# Altium PCB harmonicAnalyzerPcb.PcbDoc
Units mil, origin at the board's own origin, x right, y up, seen from the top; angles counter-clockwise.
Board outline 3484.25 x 4330.71 mil, 2 copper layers (Top Layer, Bottom Layer), stack 61.855 mil thick; 79 components, 56 nets, 272 pads, 34 vias.
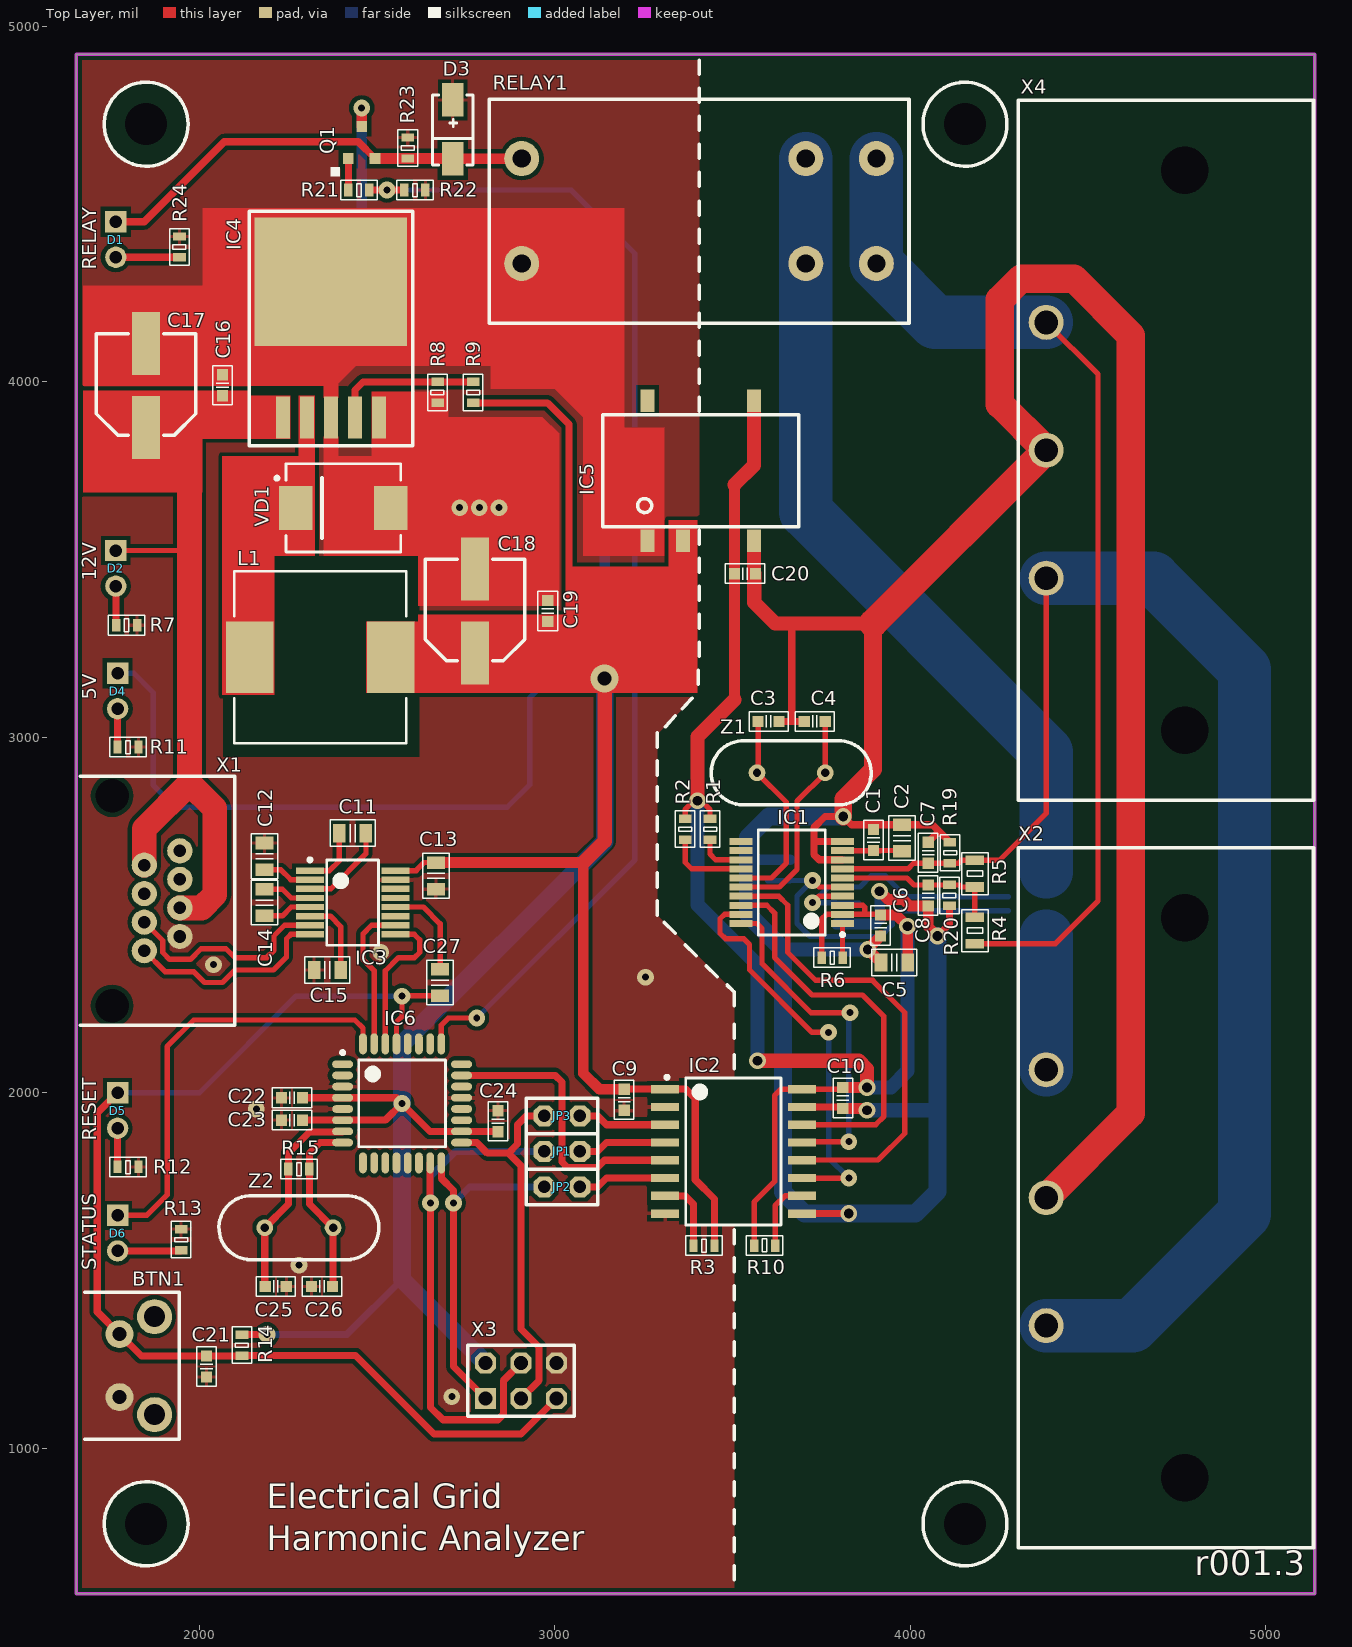
[diagram p0: Top Layer view]
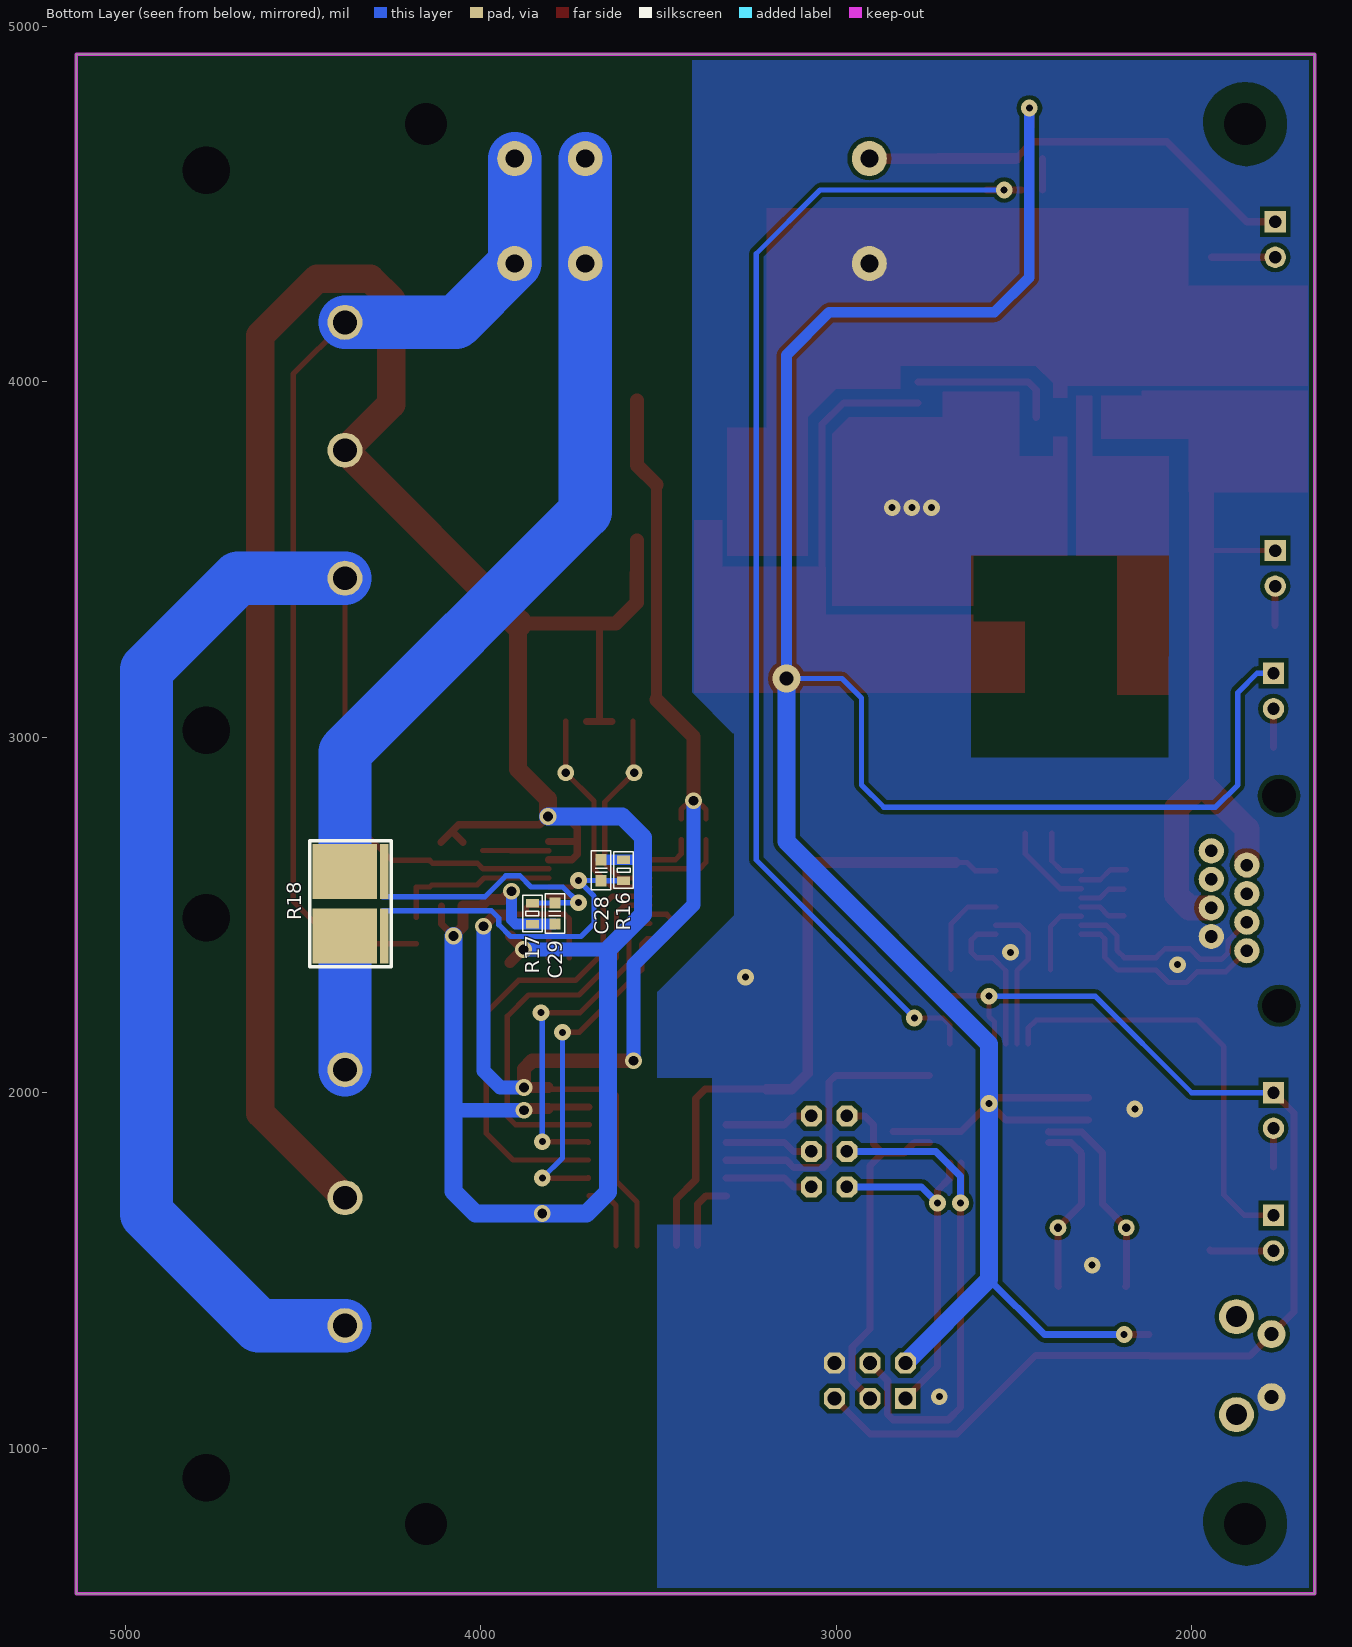
[diagram p1: Bottom Layer view, seen from below]

## Layer stack, top to bottom
Top Solder: solder mask 0.4, Solder Resist, Dk 3.5
Top Layer: signal copper 1.4
Dielectric 1: dielectric 59.0551, FR-4, Dk 4.8
Bottom Layer: signal copper 1.4
Bottom Solder: solder mask 0.4, Solder Resist, Dk 3.5

## Board outline
1653.54,590.55 5137.8,590.55 5137.8,4921.26 1653.54,4921.26

## Design rules (kind name [scope] priority, off if disabled: settings)
Clearance [All] p1: gap=5 ignorepadtopadclearanceinfootprint=FALSE except(11.81: Arc-Fill Arc-Poly Arc-Region Track-Fill Track-Poly Track-Region SMDPad-Fill SMDPad-Poly SMDPad-Region THPad-Fill THPad-Poly THPad-Region Via-Fill Via-Poly Via-Region Fill-Fill Fill-Poly Fill-Region Poly-Poly Poly-Region Region-Region)
ComponentClearance [All] p1: gap=0 collisioncheckmode=3 verticalgap=0 showdistances=FALSE
Height [All] p1: minheight=0 maxheight=1299.21 prefheight=500
HoleSize [All] p1: absolutevalues=TRUE maxlimit=137.8 minlimit=1 maxpercent=80.000 minpercent=20.000
MinimumSolderMaskSliver [All] p1: minsoldermaskwidth=0
PolygonConnect [All] p1: thpad.connectstyle=Direct thpad.reliefconductorwidth=10 thpad.reliefentries=4 thpad.polygonreliefangle="90 Angle" thpad.airgapwidth=10 smdpad.connectstyle=Relief smdpad.reliefconductorwidth=10 smdpad.reliefentries=4 smdpad.polygonreliefangle="90 Angle" smdpad.airgapwidth=10 via.connectstyle=Direct via.reliefconductorwidth=10 via.reliefentries=4 via.polygonreliefangle="90 Angle" via.airgapwidth=10
RoutingVias [All] p1: holewidth=19.68 width=47.24 viastyle="Through Hole" minholewidth=19.68 minwidth=47.24 maxholewidth=39.37 maxwidth=78.74
SilkToSilkClearance [All] p1: silktosilkclearance=0
SilkToSolderMaskClearance [IsPad] p1: minsilkscreentomaskgap=0 clearancetoexposedcopper=TRUE
SolderMaskExpansion [All] p1: expansion=4
Width [All] p1: maxlimit=200 minlimit=10 preferedwidth=10
24 further rules are at their usual default settings.

## Classes and differential pairs
component class Relay: D1 D3 Q1 R21 R22 R23 R24 RELAY1
component class ATmega328: BTN1 C21 C22 C23 C24 C25 C26 D4 D5 D6 IC6 JP1 JP2 JP3 R11 R12 R13 R14 R15 X3 Z2
component class harmonicAnalyzer: R4 R5 R6 R18 X1 X2 X4
component class Isolator: C9 C10 IC2 R3 R10
component class "Meterind IC": C1 C2 C3 C4 C5 C6 C7 C8 C28 C29 IC1 R1 R2 R16 R17 R19 R20 Z1
component class "Power Supply": C16 C17 C18 C19 C20 D2 IC4 IC5 L1 R7 R8 R9 VD1
component class "RS232 Driver": C11 C12 C13 C14 C15 C27 IC3

## Components (designator, comment, footprint, x,y, rotation, side; value= is the part's Value field where it differs from the comment)
BTN1 "Push Button" "PUSH BUTTON RIGHT ANGLE" 1874.02,1232.28 r270 top
C1 "100n" C_0603 3896.3,2710.83 r90 top
C2 "10u" C_0805 3976.3,2716.3 r90 top
C3 "22p" C_0603 3601.26,3044.49 r180 top
C4 "22p" C_0603 3731.26,3044.49 r0 top
C5 "10u" C_0805 3954.8,2366.06 r0 top
C6 "100n" C_0603 3916.3,2470.28 r90 top
C7 "33n" C_0603 4050,2675 r270 top
C8 "33n" C_0603 4050,2555 r90 top
C9 "100n" C_0603 3195,1980 r90 top
C10 "100n" C_0603 3810,1985 r90 top
C11 "100n" C_0805 2431.14,2730.04 r180 top
C12 "0.47u" C_0805 2183.27,2665.04 r270 top
C13 "100n" C_0805 2665.35,2610 r90 top
C14 "0.47u" C_0805 2183.27,2535.04 r90 top
C15 "0.47u" C_0805 2360,2345 r0 top
C16 "100n" C_0603 2065,3990 r270 top
C17 "470u" R79 1850,3990 r180 top
C18 "470u" R79 2775,3355 r180 top
C19 "100n" C_0603 2980,3355 r270 top
C20 "100n" C_0603 3535,3460 r180 top
C21 "1u" C_0603 2020,1230 r90 top
C22 "100n" C_0603 2260.35,1985.75 r0 top
C23 "100n" C_0603 2260.35,1922.76 r0 top
C24 "100n" C_0603 2840,1920 r270 top
C25 "22p" C_0603 2215,1455.35 r0 top
C26 "22p" C_0603 2345,1455.35 r180 top
C27 "100n" C_0805 2677.17,2310 r270 top
C28 "33n" C_0603 3661.42,2625.98 r270 bottom
C29 "33n" C_0603 3791.34,2503.94 r90 bottom
D1 "" LED_5mm 1765,4450 r270 top
D2 "" LED_5mm 1765,3525 r270 top
D3 "D_DO-214AC" DO-214AC 2712.6,4710.02 r90 top
D4 "" LED_5mm 1770,3180 r270 top
D5 "" LED_5mm 1770,2000 r270 top
D6 "" LED_5mm 1770,1655 r270 top
IC1 "ADE7753" SOP-20 3666.3,2591.3 r180 top
IC2 "ISO7741" SOIC-16 3502.09,1835 r0 top
IC3 "MAX3232" SSOP-16 2431.14,2535.04 r0 top
IC4 "AX3161" TO263-5L 2370,4090 r0 top
IC5 "TES 1-0511" "TES 1-0511" 3410,3750 r90 top
IC6 "ATmega328" TQFP-32 2570.35,1970 r0 top
JP1 "#NAME?" PLS-2 3020,1835 r180 top
JP2 "#NAME?" PLS-2 3020,1735 r180 top
JP3 "#NAME?" PLS-2 3020,1935 r0 top
L1 "120uH" L-12.3x12.3 2340,3225 r0 top
Q1 "IRLML2502" SOT23 2419.19,4627.92 r90 top
R1 "100k" R_0603 3436.3,2741.3 r90 top
R2 "100k" R_0603 3366.3,2741.3 r90 top
R3 "4.7k" R_0603 3419.53,1570 r0 top
R4 "1M" R_0805 4181.26,2456.3 r90 top
R5 "810" R_0805 4181.26,2616.3 r90 top
R6 "10k" R_0603 3780,2380 r0 top
R7 "6.8k" R_0603 1795.28,3315 r0 top
R8 "1.5k" R_0603 2670,3970 r270 top
R9 "4.7k" R_0603 2770,3970 r90 top
R10 "4.7k" R_0603 3590,1570 r180 top
R11 "2.2k" R_0603 1799.21,2972.44 r0 top
R12 "2.2k" R_0603 1799.21,1791.34 r0 top
R13 "2.2k" R_0603 1948.82,1586.61 r90 top
R14 "10k" R_0603 2120,1290 r270 top
R15 "1M" R_0603 2280,1785.35 r0 top
R16 "100k" R_0603 3598.43,2625.98 r90 bottom
R17 "100k" R_0603 3854.33,2503.94 r270 bottom
R18 "SHUNT" WSHP2818 4366.14,2531.5 r90 bottom
R19 "100k" R_0603 4111.26,2675 r90 top
R20 "100k" R_0603 4110,2555 r270 top
R21 "100k" R_0603 2448.82,4539.37 r0 top
R22 "100k" R_0603 2606.3,4539.37 r0 top
R23 "100k" R_0603 2586.1,4657.48 r90 top
R24 "2.2k" R_0603 1944.13,4379.09 r270 top
RELAY1 "RTSET005" RTSET005 3405.51,4480 r0 top
VD1 "30BQ040" "DO-214AB (SMC)" 2405,3645 r0 top
X1 "RJ45" RJ45 1849.72,2539.92 r270 top
X2 "C13" C13_RA_TH 4381.89,1704.72 r270 top
X3 "PLD-6" PLD-6 2905,1190 r90 top
X4 "C13" C13_RA_TH 4381.89,3807.09 r270 top
Z1 "8MHz" HC-49 3664.65,2899.84 r180 top
Z2 "8MHz" HC-49 2280,1620.35 r180 top

## Footprints (in the part's own frame and the unit in brackets; to place one, negate y for a bottom-side part, rotate by r counter-clockwise, add the part's x,y. Pads: shape width x height; smd on the part's side, far side on the other; paste and mask are expansions set on the pad)
C13_RA_TH [mm]
  round 0 hole 3.4: 0(-20,9.9) 0(20,9.9)
  round 2.5 hole 1.7: 1(-9.14,0) 2(0,0) 3(9.14,0)
  silkscreen extent -25,-2 25,19.1, body extent -24.88,-1.8 24.88,21.8, height 27.76
C_0603 [mm] "Chip Capacitor; Body 1.6 x 0.8 mm (LxW typ)"
  rect 0.8x0.8 smd: 1(-0.75,0) 2(0.75,0)
  silkscreen extent -1.4,-0.7 1.4,0.7, body extent -0.8,-0.4 0.8,0.4, height 0.3
C_0805 [mm] "Capacitor Pattern"
  rect 0.9x1.3 smd: 1(-0.95,0) 2(0.95,0)
  silkscreen extent -1.6,-0.95 1.6,0.95, body extent -1,-0.63 1,0.62, height 0.6
"DO-214AB (SMC)" [mm] "Molded Diode, 2-Leads, Body 7.94x5.90mm, IPC Medium Density"
  rect 2.4x3.15 smd: A(3.4,0) C(-3.4,0)
  silkscreen extent -4.87,-3.15 4.1,3.15, body extent -4.06,-3.05 4.07,3.05, height 2.4
DO-214AC [mm]
  rect 2.4x1.55 smd: 1(2.1,0) 2(-2.1,0)
  silkscreen extent -2.55,-1.45 2.45,1.45, body extent -2.6,-1.3 2.6,1.3, height 2.39
HC-49 [mm]
  round 1.2 hole 0.6: 1(-2.44,0) 2(2.44,0)
  silkscreen extent -5.71,-2.29 5.71,2.29, body extent -5.67,-2.32 5.68,2.33, height 3.6
L-12.3x12.3 [mm] "Precision Wire Wound Inductor, 2-Leads, Body 12.00x12.00mm, IPC Medium Density"
  rect 3.4x5.1 smd: 1(-5.05,0) 2(5.05,0)
  silkscreen extent -6.15,-6.15 6.15,6.15, body extent -6,-6 6,6, height 8
LED_5mm [mil]
  rect 60x60 hole 35: 1(0,0)
  round 60 hole 35: 2(100,0)
  body extent -65,-114 148,114, height 520
PLD-6 [mm]
  rect 1.5x1.5 hole 1: 1(-1.27,2.54)
  oct 1.5x1.5 hole 1: 2(1.27,2.54) 3(-1.27,0) 4(1.27,0) 5(-1.27,-2.54) 6(1.27,-2.54)
  silkscreen extent -2.54,-3.81 2.54,3.81
PLS-2 [mm] "PLS-2: STEP 2.54mm"
  oct 1.5x1.5 hole 0.9: 1(-1.27,0) 2(1.27,0)
  silkscreen extent -2.54,-1.27 2.54,1.27, body extent -2.54,-1.27 2.54,1.27, height 8.44
"PUSH BUTTON RIGHT ANGLE" [mm]
  round 2.5 hole 1.5: 0(-3.5,0) 0(3.5,0)
  round 2 hole 1: 1(-2.25,-2.5) 2(2.25,-2.5)
  silkscreen extent -5.25,-5 5.25,1.75, body extent -4.19,-10.84 4.21,1.46, height 8.3
R79 [mm]
  rect 2x4.5 smd: 1(0,3) 2(0,-3)
  silkscreen extent -3.56,-3.68 3.56,3.56, body extent -3.3,-3.5 3.3,3.5, height 3.91
R_0603 [mm]
  rect 0.6x0.9 smd: 1(-0.75,0) 2(0.75,0)
  silkscreen extent -1.3,-0.7 1.3,0.7, body extent -0.8,-0.41 0.8,0.41, height 0.45
R_0805 [mm] "Resistor Pattern"
  rect 0.7x1.3 smd: 1(-0.95,0) 2(0.95,0)
  silkscreen extent -1.5,-0.95 1.5,0.95, body extent -1,-0.6 1,0.6, height 0.5
RJ45 [mm]
  round 0 hole 2.4: 0(-7.5,-2.42) 0(7.5,-2.42)
  round 1.8 hole 0.9: 1(3.57,-0.12) 2(2.55,2.42) 3(1.53,-0.12) 4(0.51,2.42) 5(-0.51,-0.12) 6(-1.53,2.42) 7(-2.55,-0.12) 8(-3.57,2.42)
  silkscreen extent -8.89,-4.7 8.89,6.35, body extent -7.87,-15.13 8.12,5.92, height 13.37
RTSET005 [mm]
  round 2.5 hole 1.3: 1(12.67,3.75) 2(12.67,-3.75) 3(7.63,3.75) 4(7.63,-3.75) 5(-12.67,3.75) 6(-12.67,-3.75)
  silkscreen extent -15,-8 15,8
SOIC-16 [mm]
  rect 2x0.6 smd: 1(-4.9,4.445) 2(-4.9,3.175) 3(-4.9,1.905) 4(-4.9,0.635) 5(-4.9,-0.635) 6(-4.9,-1.905) 7(-4.9,-3.175) 8(-4.9,-4.445) 9(4.9,-4.445) 10(4.9,-3.175) 11(4.9,-1.905) 12(4.9,-0.635) 13(4.9,0.635) 14(4.9,1.905) 15(4.9,3.175) 16(4.9,4.445)
  silkscreen extent -4.87,-5.25 3.4,5.42, body extent -6.5,-5.25 5.32,5.25, height 2.72
SOP-20 [mm] "SOP, 20-Leads, Body 7.20x5.30mm, Pitch 0.65mm, IPC Medium Density"
  rect 1.65x0.5 smd: 1(-3.625,2.925) 2(-3.625,2.275) 3(-3.625,1.625) 4(-3.625,0.975) 5(-3.625,0.325) 6(-3.625,-0.325) 7(-3.625,-0.975) 8(-3.625,-1.625) 9(-3.625,-2.275) 10(-3.625,-2.925) 11(3.625,-2.925) 12(3.625,-2.275) 13(3.625,-1.625) 14(3.625,-0.975) 15(3.625,-0.325) 16(3.625,0.325) 17(3.625,0.975) 18(3.625,1.625) 19(3.625,2.275) 20(3.625,2.925)
  silkscreen extent -3.75,-3.75 2.4,3.85, body extent -3.95,-3.67 3.95,3.66, height 2.03
SOT23 [mil]
  rect 30x30 smd: 1(0,0) 2(0,-75) 3(90,-37.5)
  silkscreen extent -50,25 -25,50, body extent -4,-97 94,21, height 41
SSOP-16 [mm]
  rect 2x0.45 smd: 1(-3.05,2.275) 2(-3.05,1.625) 3(-3.05,0.975) 4(-3.05,0.325) 5(-3.05,-0.325) 6(-3.05,-0.975) 7(-3.05,-1.625) 8(-3.05,-2.275) 9(3.05,-2.275) 10(3.05,-1.625) 11(3.05,-0.975) 12(3.05,-0.325) 13(3.05,0.325) 14(3.05,0.975) 15(3.05,1.625) 16(3.05,2.275)
  silkscreen extent -3.17,-3.05 1.85,3.17, body extent -3.9,-3.1 3.9,3.1, height 1.9
"TES 1-0511" [mm]
  rect 1.6x1 smd: 1(-5,3.81) 2(-5,1.27) 4(-5,-3.81) 5(5,-3.81) 8(5,3.81)
  silkscreen extent -4,-7 4,7
TO263-5L [mm]
  rect 1x3 smd: 1(-3.42,-4.85) 2(-1.71,-4.85) 3(0,-4.85) 4(1.71,-4.85) 5(3.42,-4.85)
  rect 10.9x9.2 smd: 3(0,4.85)
  silkscreen extent -5.84,-6.86 5.84,9.91, body extent -5.08,-5.4 5.08,8.61, height 4.56
TQFP-32 [mm]
  oval 1.5x0.55 smd: 1(-4.25,2.8) 2(-4.25,2) 3(-4.25,1.2) 4(-4.25,0.4) 5(-4.25,-0.4) 6(-4.25,-1.2) 7(-4.25,-2) 8(-4.25,-2.8) 17(4.25,-2.8) 18(4.25,-2) 19(4.25,-1.2) 20(4.25,-0.4) 21(4.25,0.4) 22(4.25,1.2) 23(4.25,2) 24(4.25,2.8)
  oval 0.55x1.5 smd: 9(-2.8,-4.25) 10(-2,-4.25) 11(-1.2,-4.25) 12(-0.4,-4.25) 13(0.4,-4.25) 14(1.2,-4.25) 15(2,-4.25) 16(2.8,-4.25) 25(2.8,4.25) 26(2,4.25) 27(1.2,4.25) 28(0.4,4.25) 29(-0.4,4.25) 30(-1.2,4.25) 31(-2,4.25) 32(-2.8,4.25)
  silkscreen extent -4.37,-3.1 3.1,3.75, body extent -4.6,-4.63 4.6,4.57, height 1.2
WSHP2818 [mm] "Chip Resistor, 2-Leads, Body 7.10x4.60mm, IPC Medium Density"
  rect 3.95x4.6 smd: 1(-2.3,0.4) 2(2.3,0.4)
  rect 3.95x0.6 smd: 3(-2.3,-2.4) 4(2.3,-2.4)
  silkscreen extent -4.5,-2.9 4.5,2.9, body extent -3.67,-2.43 3.68,2.42, height 1.5

## Part data
BTN1: "Push button"
C1 C3 C4 C6 C7 C8 C9 C10 C16 C19 C20 C21 C22 C23 C24 C25 C26 C28 C29: library part C0603, "Capacitor"
C2 C5 C11 C12 C13 C14 C15 C27: library part C0805, "Capacitor"
C17 C18: library part Electrolit, "Electrolit capasitor"
D1 D2 D4 D5 D6: library part LED_5mm, "Typical INFRARED GaAs LED"
D3: "Diode"
IC1: library part ADE7753ARSZ, "Data Acquisition ADC/DAC"
IC2: "Quad-Channel Digital Isolators"
IC3: "RS-232 Line Driver/Receiver With ±15-kV ESD Protection"
IC4: "52KHz, 2A PWM Buck DC/DC Converter", Link=https://voron.ua/catalog/031858
IC5: "Isolated DC/DC Converter"
IC6: "High Performance, Low Power Atmel AVR 8-Bit Microcontroller"
JP1 JP2 JP3: library part JP-2, "Jumper Pins", Type=PLS-2
L1: library part L, "Inductor"
Q1: library part N-ch_SOT23, "N-Channel Enhancement Mode MOSFET", ComponentLink1Description="Manufacturer Link", ComponentLink1URL=http://www.zetex.com/, ComponentLink2Description=Datasheet, ComponentLink2URL=www.zetex.com/3.0/pdf/ZXM61N02F.pdf, DatasheetVersion=May-99, PackageDescription="SOT-23; 3 Leads; Body 3.1 x 2.5 mm, inc. leads (LxW max), Alternate Lead Configuration", PackageReference=SOT23, PackageVersion=1996, Published=17-Dec-2003, Publisher="Altium Limited"
R1 R2 R3 R6 R7 R8 R9 R10 R11 R12 R13 R14 R15 R16 R17 R19 R20 R21 R22 R23 R24: library part R0603, "Resistor"
R4 R5: library part R0805, "Resistor"
R18: "Current Shunt", Link=https://www.digikey.com/product-detail/en/vishay-dale/WSHP2818R0330FEA/541-3279-1-ND/6605255
RELAY1: library part 1-1415898-8, "General Purpose Relay"
VD1: "High Performance Schottky Rectifier, 3.0 A", Link=https://voron.ua/catalog/schottky-diode-30bq040-irf
X1: "Outlet YH-55-05 8P8C 5521", Link=https://www.rcscomponents.kiev.ua/product/rozetka-yh-55-05-8p8c-5521-l-kls12-133-8p8c-w-o-2-01_8324.html
Z1 Z2: library part XTAL, "Quartz resonator"

## Free pads (board coordinates)
  round 0 hole 118.11 unplated: 0(1850.39,787.4) 0(1850.39,4724.41) 0(4153.54,787.4) 0(4153.54,4724.41)

## Via types
v1: diameter 47.24, hole 19.68, Top Layer to Bottom Layer, tented both sides, 22 vias
v2: diameter 47.24, hole 27.56, Top Layer to Bottom Layer, tented both sides, 9 vias
v3: diameter 47.24, hole 27.56, Top Layer to Bottom Layer, 1 vias
v4: diameter 47.24, hole 19.68, Top Layer to Bottom Layer, 1 vias
v5: diameter 78.74, hole 39.37, Top Layer to Bottom Layer, tented both sides, 1 vias

## Nets (pads, with @x,y where several pads share a name; then routed paths per layer and width w, separated by ;. In a path a pad name is that pad's centre, name@x,y a point inside that pad or via, vN(x,y) a via of type N, cw(c..) or ccw(c..) an arc to the next point about the centre after c; other vN are vias at no path point)
5V: C9.2 C13.2 C18.1 C19.2 C22.2 C23.2 C24.2 D4.1 IC2.1 IC3.16 IC5.2 IC6.4 IC6.6 IC6.18 L1.2 Q1.3 R3.2 R9.1 R14.1 X3.2 | length 11010.2
  Top Layer w15: IC3.16 2609.61,2624.61 2632.4,2647.4 C13.2
  Top Layer w20: R14.1 v1(2190,1319.53) ; C23.2 IC6.6 2522.76,1922.76 v1(2570,1970) ; C22.2 IC6.4 2554.25,1985.75 v1(2570,1970) ; R9.1 2979.76,3940.47 3040,3880.24 3040,3465 ; C24.2 2839.21,1891.26 IC6.18 2648.74,1891.26 v1(2570,1970) ; C9.2 3195.47,2010 IC2.1 3368.98,2010 3395,1983.98 3395,1755 3449.06,1700.94 R3.2
  Top Layer w30: Q1.3 v1(2456.69,4770) ; C13.2 3080,2647.4 3080,2055 3125.47,2009.53 C9.2
  Top Layer w40: 3080,2647.4 3140,2707.4 v5(3140,3165)
  Bottom Layer w15: D4.1 1816.06,3180 1870.08,3125.98 1870.08,2866.14 1933.07,2803.15 2866.14,2803.15 2928.87,2865.88 2928.87,3109.97 2983.9,3165 v5(3140,3165)
  Bottom Layer w20: v1(2190,1319.53) 2414.53,1319.53 2570,1475
  Bottom Layer w30: v1(2456.69,4770) 2456.69,4293.31 2555,4195 3020,4195 3140,4075 v5(3140,3165)
  Bottom Layer w50: X3.2 2570,1475 v1(2570,1970) 2570,2136.93 3140,2706.93 v5(3140,3165)
5VDC: C5.2 C6.2 C10.2 C20.2 IC1.2 IC1.3 IC2.16 IC5.5 R1.2 R2.2 R6.1 R10.2 | length 4309.9
  Top Layer w15: R2.2 3366.3,2796.61 3390.98,2821.3 v2(3401.3,2821.3) 3411.46,2821.3 3436.3,2796.46 R1.2 ; R10.2 3560.47,1692.83 3618.11,1750.47 3618.11,1992.13 3635.98,2010 IC2.16 C10.2@3805.47,2010 ; R6.1 3750.47,2488.46 3763.74,2501.73 IC1.2 3871.3,2501.73 ; IC1.3 3865.75,2527.32 3871.3,2521.77 3871.3,2501.73 ; C6.2 3914.37,2501.73 3871.3,2501.73
  Top Layer w30: 3505.47,3105.47 C20.2 3505.47,3710.47 ; C10.2 v2(3877.95,2014.53) ; C6.2 3960.63,2499.8 v2(3992.2,2468.23) C5.2
  Top Layer w40: v2(3401.3,2821.3) 3401.3,3001.3 3505.47,3105.47 ; 3505.47,3710.47 3560,3765 IC5.5 ; v3(3570,2090) 3855,2090 3877.95,2067.05 v2(3877.95,2014.53)
  Bottom Layer w40: v2(3401.3,2821.3) 3401.3,2528.7 3570,2360 v3(3570,2090) ; v2(3877.95,2014.53) 3945.18,2014.53 3992.2,2061.55 v2(3992.2,2468.23)
12V: C16.2 C17.1 D2.1 IC4.1 X1.4 X1.7 | length 1777.3
  Top Layer w15: D2.1 1971.06,3525 1972.44,3523.62
  Top Layer w70: X1.7 1845,2742.64 1972.44,2870.08 ; X1.4 2005.94,2519.84 2043.31,2557.2 2043.31,2799.21 1972.44,2870.08 ; 1972.44,3700.79 1972.44,3523.62 1972.44,2870.08
AVR_MISO: IC6.16 JP2.2 X3.1 | length 987.8
  Top Layer w20: IC6.16 2680.59,1759.41 2715,1725 v1(2715,1690) 2715,1230 X3.1
  Bottom Layer w20: v1(2715,1690) 2760,1735 JP2.2
AVR_MOSI: IC6.15 JP1.2 X3.4 | length 1499
  Top Layer w20: v1@2649.09,1694.09 IC6.15 ; v1(2650,1690) 2650,1115 2685,1080 2840,1080 2855,1095 2855,1190 X3.4
  Bottom Layer w20: v1(2650,1690) 2650,1765 2720,1835 JP1.2
AVR_RESET: BTN1.1 C21.2 C27.2 D5.1 IC6.29 R14.2 X3.5 | length 3277.7
  Top Layer w15: IC6.29 2554.61,2199.61 2570,2215 v1(2570,2271.65) ; v1@2570.94,2272.6 C27.2
  Top Layer w20: D5.1 1712.6,1942.6 1712.6,1383.86 BTN1.1 1836.93,1259.53 C21.2 2119.06,1259.53 R14.2 2439.53,1260.47 2660,1040 2905,1040 X3.5 ; v1(2570,2271.65) v1@2570.94,2272.6
  Bottom Layer w15: D5.1 2000,2000 2271.65,2271.65 v1(2570,2271.65)
AVR_SCK: IC6.17 JP3.1 X3.3 | length 1066.2
  Top Layer w20: IC6.17 2780.24,1859.76 2810,1830 2869.53,1830 ; X3.3 2955,1190 2955,1285 2905,1335 2905,1794.53 2869.53,1830 ; JP3.1 2920,1935 2895,1910 2895,1855.47 2869.53,1830
CS: IC1.17 IC2.12 | length 1332
  Top Layer w15: IC1.17 3629.41,2552.91 3655,2527.32 3655,2395 3733.86,2316.14 3893.86,2316.14 3984.25,2225.75 3984.25,1885.83 3908.98,1810.55 IC2.12@3697.09,1810.55
DIN: IC1.20 IC2.13 | length 961.4
  Top Layer w15: IC1.20 3568.35,2476.14 3582.68,2461.81 3582.68,2363.23 3720.91,2225 v1(3830,2225) ; IC2.13@3697.09,1860.55 3698.74,1862.2 v1(3826.77,1862.2)
  Bottom Layer w15: v1(3826.77,1862.2) v1@3826.77,2225
DOUT: IC1.19 IC2.11 | length 1131.1
  Top Layer w15: IC1.19 3476.93,2501.73 3464.57,2489.37 3464.57,2448.7 3480,2433.27 3531.1,2433.27 3547.24,2417.13 3547.24,2345.91 3723.15,2170 v1(3770,2170) ; IC2.11@3697.09,1760.55 3697.8,1759.84 v1(3826.77,1759.84)
  Bottom Layer w15: v1(3770,2170) 3770,1816.61 v1(3826.77,1759.84)
EN1: IC2.7 R3.1 | length 206.9
  Top Layer w20: IC2.7 3366.3,1710 3390,1686.3 R3.1
EN2: IC2.10 R10.1 | length 199.3
  Top Layer w15: R10.1 3619.53,1682.36 3647.17,1710 IC2.10
GND: BTN1.2 C9.1 C12.1 C13.1 C15.1 C16.1 C17.2 C18.2 C19.1 C21.1 C22.1 C23.1 C24.1 C25.2 C26.2 D3.1 IC2.2 IC2.8 IC3.15 IC4.3 IC4.5 IC5.1 IC6.3 IC6.5 IC6.21 R7.2 R8.2 R11.2 R12.2 R13.2 R22.2 R23.2 R24.1 RELAY1.6 VD1.A X1.2 X3.6
  other v1: 2710,1145 2280,1515 2160,1954.25 3255,2325 2040,2360 2510,2395 2732.28,3645.67 2787.4,3645.67 2842.52,3645.67
INA: IC2.3 JP3.2 | length 249.5
  Top Layer w20: JP3.2 3120,1935 3145,1910 IC2.3
INB: IC2.4 JP1.1 | length 249.5
  Top Layer w20: JP1.1 3120,1835 3145,1860 IC2.4
INC: IC2.5 IC6.23 | length 818.8
  Top Layer w20: IC6.23 3001.26,2048.74 3020,2030 3020,1805 3035,1790 3120,1790 3140,1810 IC2.5
NetC1_1: C1.1 C2.1 IC1.9 | length 185.1
  Top Layer w15: IC1.9 3915.87,2680.87 3916.3,2681.3 C2.1@3993.9,2681.3
NetC3_2: C3.2 IC1.15 Z1.2 | length 578.9
  Top Layer w15: IC1.15 3609.06,2604.09 3651.26,2646.3 3651.26,2817.17 Z1.2 3571.73,2902.99 C3.2
NetC4_2: C4.2 IC1.16 Z1.1 | length 627.3
  Top Layer w15: IC1.16 3631.26,2578.5 3681.26,2628.5 3681.26,2820.39 Z1.1 3760.79,2899.92 C4.2
NetC11_1: C11.1 IC3.3 | length 256.1
  Top Layer w15: IC3.3 2369.53,2573.43 2468.54,2672.44 C11.1
NetC11_2: C11.2 IC3.1 | length 171.7
  Top Layer w15: IC3.1 2365.71,2624.61 2393.74,2652.64 C11.2
NetC12_2: C12.2 IC3.2 | length 139.7
  Top Layer w15: C12.2 2228.54,2627.64 2257.17,2599.02 IC3.2
NetC14_1: C14.1 IC3.5 | length 130.1
  Top Layer w15: C14.1@2191.14,2497.64 2233.74,2497.64 2258.35,2522.24 IC3.5
NetC14_2: C14.2 IC3.4 | length 130.1
  Top Layer w15: C14.2@2191.14,2572.44 2233.74,2572.44 2258.35,2547.83 IC3.4
NetC15_2: C15.2 IC3.6 | length 221
  Top Layer w15: IC3.6 2368.35,2496.65 2397.4,2467.6 C15.2
NetC27_1: C27.1 IC3.12 | length 273.2
  Top Layer w15: IC3.12 2630,2522.24 2677.17,2475.08 C27.1
NetD1_1: D1.1 D3.2 Q1.2 R23.1 RELAY1.5 | length 1254.8
  Top Layer w20: D1.1 1845,4450 2070,4675 2447.11,4675 Q1.2 ; D3.2@2711.99,4627.95 D3.2 ; RELAY1.5@2906.4,4627.34 RELAY1.5
  Top Layer w30: Q1.2 R23.1@2586.07,4627.92 ; R23.1 D3.2@2711.99,4627.95 ; D3.2 RELAY1.5@2906.4,4627.34
NetD1_2: D1.2 R24.2 | length 179.3
  Top Layer w20: D1.2 1943.69,4350 R24.2
NetD2_2: D2.2 R7.1 | length 110.3
  Top Layer w20: D2.2 1765.75,3424.25 R7.1
NetD4_2: D4.2 R11.1 | length 109.3
  Top Layer w20: R11.1@1770,2970.75 D4.2
NetD5_2: D5.2 R12.1 | length 109.3
  Top Layer w20: R12.1@1770,1790.75 D5.2
NetD6_2: D6.2 R13.1 | length 179.7
  Top Layer w20: D6.2 1946.73,1555 R13.1
NetIC1_13: IC1.13 R1.1 | length 134.4
  Top Layer w15: R1.1 3436.3,2671.3 3452.32,2655.28 IC1.13
NetIC1_14: IC1.14 R2.1 | length 228.4
  Top Layer w15: R2.1 3366.3,2648.43 3385.04,2629.69 IC1.14
NetIC4_2: IC4.2 L1.1 VD1.C
NetIC4_4: IC4.4 R8.1 R9.2 | length 419.9
  Top Layer w20: IC4.4 2437.32,3976.85 2460,3999.53 R8.1 R9.2
NetIC6_25: IC6.25 R21.2 R22.1 | length 3365.2
  Top Layer w15: IC6.25 2680.59,2190.32 2700.28,2210 v4(2780.24,2210)
  Top Layer w20: R21.2 v1(2527.56,4539.37) R22.1
  Bottom Layer w15: v1(2527.56,4539.37) 3045.63,4539.37 3225,4360 3225,2654.76 v4(2780.24,2210)
NetQ1_1: Q1.1 R21.1 | length 88.6
  Top Layer w20: Q1.1 2419.29,4627.82 R21.1
NetR4_1: R4.1 RELAY1.1 RELAY1.2 X4.1 | length 2925.5
  Top Layer w15: R4.1 4407.09,2418.9 4527.56,2539.37 4527.56,4021.26 X4.1
  Bottom Layer w150: RELAY1.1 RELAY1.2 4069.76,4166.93 X4.1
NetR18_1: R18.1 X2.1 | length 376.4
  Bottom Layer w150: X2.1 R18.1
NetR18_2: R18.2 RELAY1.3 RELAY1.4 | length 2285.6
  Bottom Layer w150: RELAY1.3 RELAY1.4 3705.91,3634.09 4381.89,2958.11 R18.2
OUTA: IC1.18 IC2.14 | length 1125.6
  Top Layer w15: IC1.18 3595.91,2527.32 3618.11,2505.12 3618.11,2380.63 3723.74,2275 3865,2275 3925.31,2214.69 3925.31,1933.19 3902.13,1910 IC2.14
OUTD: IC2.6 JP2.1 | length 249.5
  Top Layer w20: JP2.1 3120,1735 3145,1760 IC2.6
PGND: C1.2 C2.2 C3.1 C4.1 C5.1 C6.1 C7.1 C8.1 C10.1 C20.1 C28.1 C29.1 IC1.8 IC1.10 IC2.9 IC2.15 IC5.4 R16.2 R17.2 R19.2 R20.2 X2.2 X4.2 | length 10392.1
  Top Layer w20: C3.1 3666.26,3044.49 ; 3666.26,3320 3666.26,3044.49 ; IC2.9 v2(3826.77,1660) ; IC2.15 3805.47,1960 C10.1 ; C4.1 3666.26,3044.49 ; IC1.8 3743.54,2655.28 3728.35,2670.47 3728.35,2705.91 ; IC1.10 3728.9,2706.46 3728.35,2705.91 ; C7.1 4080,2734.53 4080,2735.79 ; v2(4076.3,2440.94) 4110,2474.65 R20.2 ; R19.2 4080,2735.79 ; 3728.35,2705.91 3728.35,2745.28 3759.84,2776.77 v2(3811.02,2776.77) 3834.09,2753.7 C2.2 4062.09,2753.7 4080,2735.79
  Top Layer w30: C20.1@3560,3461.65 C20.1@3561.02,3460.63 ; C10.1 3872.95,1955.47 v2(3877.95,1950.47) ; v2(3880,2403) 3880.46,2403 v2@3882.24,2401.22 ; v2(3913.39,2566.93) 3937.01,2543.31 3980.32,2543.31 3998.15,2525.47 C8.1 4050,2467.24 v2(4076.3,2440.94) ; C6.1 3882.24,2406.69 v2@3882.24,2401.22 ; C5.1 v2@3882.24,2401.22
  Top Layer w40: C20.1@3560,3461.65 IC5.4 ; C20.1@3561.02,3460.63 3561.02,3378.98 3620,3320 3666.26,3320 3895,3320
  Top Layer w50: v2(3811.02,2776.77) 3811.02,2826.02 3895,2910 3895,3320
  Top Layer w80: 3895,3320.2 X4.2 4251.93,3937.05 4251.93,4230.64 4311.28,4290 4460,4290 4620,4130 4620,1942.83 X2.2
  Bottom Layer w15: 3543.31,2650 3548.82,2655.51
  Bottom Layer w20: v2@3810,2775.75 v2(3811.02,2776.77)
  Bottom Layer w30: 3548.82,2655.51 R16.2 C28.1 ; C29.1 R17.2 3901.57,2474.41 3913.39,2486.22 v2(3913.39,2566.93)
  Bottom Layer w40: 3641.73,2402.76 3641.98,2403 v2(3880,2403) ; v2(3877.95,1950.47) 4076.3,1950.47
  Bottom Layer w50: v2(3811.02,2776.77) 3601.77,2776.77 3543.31,2718.31 3543.31,2650 3543.31,2501.18 3641.73,2402.76 3641.73,1720.58 3702.31,1660 v2(3826.77,1660) 4014.33,1660 4076.3,1721.97 4076.3,1950.47 v2(4076.3,2440.94)
R1OUT: IC3.9 IC6.30 | length 434.4
  Top Layer w15: IC6.30 2523.11,2343.11 2560,2380 2605,2380 2620,2395 2620,2430 2604.53,2445.47 IC3.9
RES: IC1.1 R6.2 | length 96.4
  Top Layer w15: IC1.1 3809.02,2380.51 R6.2
RX: IC3.8 X1.1 | length 589.6
  Top Layer w15: X1.1 1904.37,2340 1985,2340 2015,2310 2065,2310 2100,2345 2208.74,2345 2245,2381.26 2245,2433.19 2257.28,2445.47 IC3.8
STATUS: D6.1 IC6.32 | length 1216.1
  Top Layer w15: D6.1 1851.85,1655 1909.45,1712.6 1909.45,2129.92 1984.25,2204.72 2437.01,2204.72 2460.12,2181.61 IC6.32
T1IN: IC3.10 IC6.31 | length 423.6
  Top Layer w15: IC6.31 2491.61,2343.39 2460.12,2374.88 2460.12,2446.73 2484.45,2471.06 IC3.10
TX: IC3.7 X1.3 | length 613.4
  Top Layer w15: X1.3 1897.07,2427.62 1897.07,2394.27 1916.34,2375 1975,2375 2005,2405 2075,2405 2100,2380 2189.37,2380 2210,2400.63 2210,2441.5 2239.57,2471.06 IC3.7
V1N: C28.2 IC1.5 R16.1 R18.3 | length 1007.3
  Top Layer w15: v1(3725,2596.77) 3743.27,2578.5 IC1.5
  Bottom Layer w15: R16.1 C28.2 3661.73,2596.77 v1(3725,2596.77) 3681.1,2552.87 3681.1,2476.38 3717.95,2439.53 3915.91,2439.53 3948.82,2472.44 3948.82,2490.83 3969.8,2511.81 R18.3@4275.59,2511.81
V1P: C29.2 IC1.4 R17.1 R18.4 | length 827.8
  Top Layer w15: v1(3725,2534.65) 3743.27,2552.91 IC1.4
  Bottom Layer w15: R17.1 C29.2 3790.16,2534.65 v1(3725,2534.65) 3769.09,2578.74 3858.27,2578.74 3889.76,2610.24 3929.13,2610.24 3988.19,2551.18 R18.4@4275.59,2551.18
V2N: C7.2 IC1.7 R5.2 R19.1 X2.3 X4.3 | length 4182.3
  Top Layer w15: IC1.7 3993.39,2629.69 4009.17,2645.47 C7.2 R19.1 4135.2,2645.47 4143.43,2653.7 R5.2 4249.88,2653.7 4381.89,2785.71 X4.3
  Bottom Layer w150: X2.3 4624.88,1344.88 4940,1660 4940,3190 4682.76,3447.24 X4.3
V2P: C8.2 IC1.6 R4.2 R5.1 R20.1 | length 468.2
  Top Layer w15: IC1.6 3990.39,2604.09 4009.96,2584.53 C8.2 R20.1 4137.4,2584.53 4143.43,2578.5 4180.87,2578.5 R5.1 R4.2
XTAL1: C25.1 IC6.7 R15.1 Z2.2 | length 582.2
  Top Layer w20: C25.1 2183.94,1456.89 Z2.2 2250.47,1686.89 R15.1 2250.47,1830.24 2309.37,1889.13 2403.03,1889.13 IC6.7
XTAL2: C26.1 IC6.8 R15.2 Z2.1 | length 508.4
  Top Layer w20: C26.1 2376.06,1456.89 Z2.1 2309.53,1686.89 R15.2 2309.53,1829.53 2339.76,1859.76 IC6.8
pads on no net: BTN1.0 IC1.11 IC1.12 IC3.11 IC3.13 IC3.14 IC5.8 IC6.1 IC6.2 IC6.9 IC6.10 IC6.11 IC6.12 IC6.13 IC6.14 IC6.19 IC6.20 IC6.22 IC6.24 IC6.26 IC6.27 IC6.28 X1.0 X1.5 X1.6 X1.8 X2.0 X4.0

## Polygon pours and split planes (outlines as drawn)
GND on Bottom Layer "Bottom-GND" (solid, remove dead copper, pour order 2): 1653.54,4921.26 3405.51,4921.26 3405.51,3126.57 3290.75,3011.81 3287.4,3011.81 3287.4,2498.7 3502.64,2283.46 3503.94,2283.46 3503.94,590.55 1653.54,590.55
GND on Top Layer "Top-GND" (solid, remove dead copper, pour order 0): 1653.54,4921.26 3405.51,4921.26 3405.51,3126.57 3290.75,3011.81 3287.4,3011.81 3287.4,2498.7 3502.64,2283.46 3503.94,2283.46 3503.94,590.55 1653.54,590.55

## Keep-outs
Keep-Out Layer:
  the board outline again, w10

## Other copper
Top Layer:
  pour cut-out: 1850.39,905.51 cw(c1850.39,787.4) 1968.13,796.78 cw(c1840.65,796.78) 1850.05,669.64 cw(c1850.05,787.4) 1732.28,787.4 cw(c1850.39,787.4)
  pour cut-out: 4153.54,905.51 cw(c4153.54,787.4) 4271.28,796.78 cw(c4143.8,796.78) 4153.2,669.64 cw(c4153.2,787.4) 4035.43,787.4 cw(c4153.54,787.4)
  pour cut-out: 4153.54,4842.52 cw(c4153.54,4724.41) 4271.28,4733.78 cw(c4143.8,4733.78) 4153.2,4606.65 cw(c4153.2,4724.41) 4035.43,4724.41 cw(c4153.54,4724.41)
  pour cut-out: 1850.39,4842.52 cw(c1850.39,4724.41) 1968.13,4733.78 cw(c1840.65,4733.78) 1850.05,4606.65 cw(c1850.05,4724.41) 1732.28,4724.41 cw(c1850.39,4724.41)
  pour cut-out: 2140,3987.04 2598.43,3987.04 2598.43,3818.9 2140,3818.9
  pour cut-out: 3348.3,2041.69 3655,2041.69 3655,1628.31 3348.3,1628.31
  region net GND: 2010,4488.19 2010,4270 1673.23,4270 1673.23,3988.03 2350,3988.03 2350,3955 2390,3955 2390,3995 2440,4045 2820,4045 2820,3980 3000,3980 3080,3900 3080,3510 3307.09,3510 3307.09,3870 3195,3870 3195,4488.19
  region net 12V: 2140,3975 2140,3960.47 2255,3960.47 2255,3840 2007.87,3840 2007.87,3688.98 1673.23,3688.98 1673.23,3975
  region: 1920,3880
  region net NetIC4_2: 2065,3120 2210,3120 2210,3510 2325,3510 2325,3960 2280,3960 2280,3790 2065,3790
  region net GND: 2964.76,3900.24 3011.81,3853.19 3011.81,3370 2615,3370 2615,3510 2350,3510 2350,3845 2390,3845 2390,3790 2485,3790 2485,3971.52 2700,3971.52 2700,3900.24
  region net 5V: 3030,3345 3030,3480 3320,3480 3320,3610 3400,3610 3400,3125 2470,3125 2470,3325.47 2615,3325.47 2615,3345
  pour cut-out: 2064.32,3510 2620,3510 2620,2943.6 2066.15,2943.6
Bottom Layer:
  pour cut-out: 1850.39,4842.52 cw(c1850.39,4724.41) 1968.13,4733.78 cw(c1840.65,4733.78) 1850.05,4606.65 cw(c1850.05,4724.41) 1732.28,4724.41 cw(c1850.39,4724.41)
  pour cut-out: 1850.39,905.51 cw(c1850.39,787.4) 1968.13,796.78 cw(c1840.65,796.78) 1850.05,669.64 cw(c1850.05,787.4) 1732.28,787.4 cw(c1850.39,787.4)
  pour cut-out: 4153.54,905.51 cw(c4153.54,787.4) 4271.28,796.78 cw(c4143.8,796.78) 4153.2,669.64 cw(c4153.2,787.4) 4035.43,787.4 cw(c4153.54,787.4)
  pour cut-out: 4153.54,4842.52 cw(c4153.54,4724.41) 4271.28,4733.78 cw(c4143.8,4733.78) 4153.2,4606.65 cw(c4153.2,4724.41) 4035.43,4724.41 cw(c4153.54,4724.41)
  pour cut-out: 3348.3,2041.69 3655,2041.69 3655,1628.31 3348.3,1628.31
  pour cut-out: 2064.32,3510 2620,3510 2620,2943.6 2066.15,2943.6

## Silkscreen, mask and mechanical layers (free items; w line width, h text height)
Top Overlay:
  circle w10: c1850.39,787.4 r118.11
  circle w10: c4153.54,787.4 r118.11
  circle w10: c4153.54,4724.41 r118.11
  circle w10: c1850.39,4724.41 r118.11
  lines w10: 3287.4,2500 3287.4,2539.37 ; 3287.4,2578.74 3287.4,2618.11 ; 3287.4,2657.48 3287.4,2696.85 ; 3287.4,2736.22 3287.4,2775.59 ; 3287.4,2820.63 3287.4,2860 ; 3287.4,2893.7 3287.4,2933.07 ; 3287.4,2972.44 3287.4,3011.81 ; 3307.09,2479.69 3338.74,2448.3 ; 3311.18,3029.76 3338.74,3060 ; 3358.27,3080 3385.83,3110.24 ; 3366.14,2416.26 3397.8,2384.87 ; 3403.45,3149.61 3403.45,3188.98 ; 3405.51,3228.35 3405.51,3267.72 ; 3405.51,3307.09 3405.51,3346.46 ; 3405.51,3385.83 3405.51,3425.2 ; 3405.51,3464.57 3405.51,3503.94 ; 3405.51,3543.31 3405.51,3582.68 ; 3405.51,3917.32 3405.51,3956.69 ; 3405.51,3996.06 3405.51,4035.43 ; 3405.51,4074.8 3405.51,4114.17 ; 3405.51,4153.54 3405.51,4192.91 ; 3405.51,4232.28 3405.51,4271.65 ; 3405.51,4311.02 3405.51,4350.39 ; 3405.51,4389.76 3405.51,4429.13 ; 3405.51,4468.5 3405.51,4507.87 ; 3405.51,4550 3405.51,4589.37 ; 3405.51,4628.74 3405.51,4668.11 ; 3405.51,4707.48 3405.51,4746.85 ; 3405.51,4786.22 3405.51,4825.59 ; 3405.51,4864.96 3405.51,4904.33 ; 3425.2,2357.2 3456.85,2325.82 ; 3484.25,2303.15 3500.07,2287.47 ; 3503.94,630.67 3503.94,670.04 ; 3503.94,709.41 3503.94,748.78 ; 3503.94,788.15 3503.94,827.52 ; 3503.94,866.89 3503.94,906.26 ; 3503.94,945.63 3503.94,985 ; 3503.94,1023.62 3503.94,1062.99 ; 3503.94,1100.63 3503.94,1140 ; 3503.94,1181.1 3503.94,1220.47 ; 3503.94,1259.84 3503.94,1299.21 ; 3503.94,1338.58 3503.94,1377.95 ; 3503.94,1417.32 3503.94,1456.69 ; 3503.94,1496.06 3503.94,1535.43 ; 3503.94,1574.8 3503.94,1614.17 ; 3503.94,2066.93 3503.94,2106.3 ; 3503.94,2153.54 3503.94,2192.91 ; 3503.94,2244.09 3503.94,2283.46
  text "RELAY" at 1710,4315 h40 r90
  text "12V" at 1710,3440 h40 r90
  text "5V" at 1710,3105 h40 r90
  text "RESET" at 1710,1865 h40 r90
  text "STATUS" at 1710,1500 h40 r90
  text "Electrical Grid / Harmonic Analyzer" at 2190,690 h118.11
  text "r001.3" at 4800,620 h118.11

## Dimensions
4153.54,4724.41 to 5137.8,4921.26 on Mechanical 1
1850.39,787.4 to 1653.54,590.55 on Mechanical 1
4153.54,4724.41 to 5137.8,4921.26 on Mechanical 1
4153.54,787.4 to 5137.8,590.55 on Mechanical 1
1653.54,590.55 to 5137.8,590.55 on Mechanical 1
5137.8,590.55 to 5137.8,4921.26 on Mechanical 1
1850.39,4724.41 to 1653.54,4921.26 on Mechanical 1
1850.39,4724.41 to 1653.54,4921.26 on Mechanical 1
1653.54,590.55 to 1850.39,787.4 on Mechanical 1
4153.54,787.4 to 5137.8,590.55 on Mechanical 1